# Altium PCB CPCIS_PWR_MOD_AC.pcbdoc (part 1 of 2)
Units mm, origin at the board's own origin, x right, y up, seen from the top; angles counter-clockwise.
Board outline 159 x 100 mm, 4 copper layers (Top Layer, Layer 1, Layer 2, Bottom Layer), stack 1.66 mm thick; 134 components, 89 nets, 446 pads, 0 vias.
Unrouted connection lines stored in the file: 213.
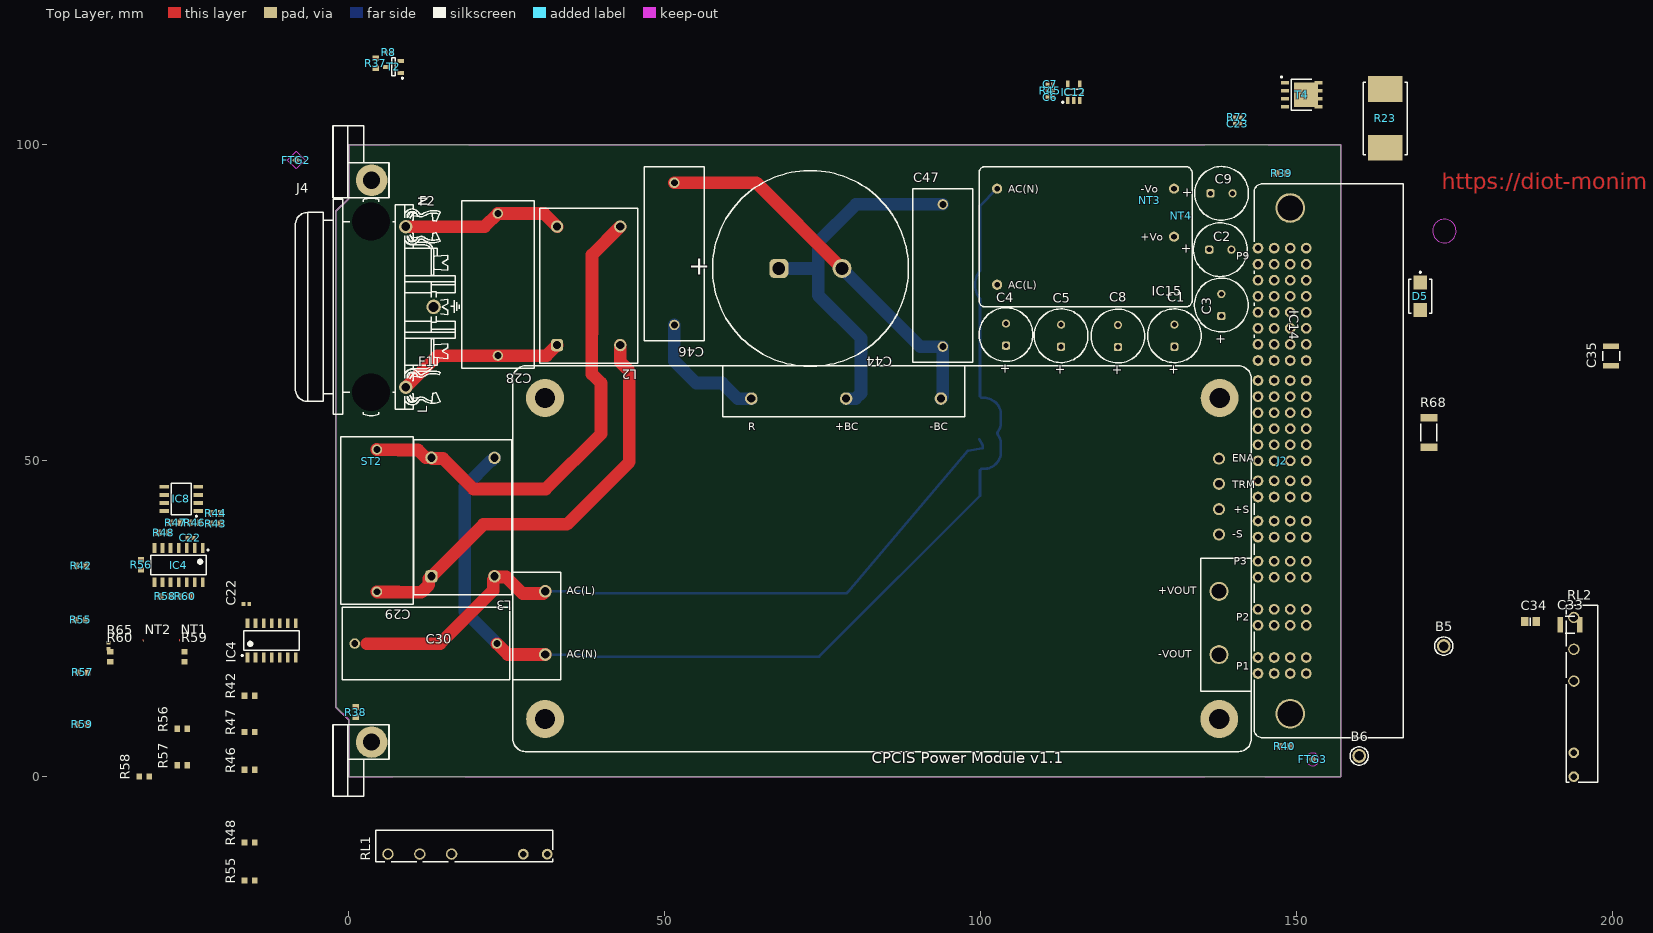
[diagram p0: Top Layer view]
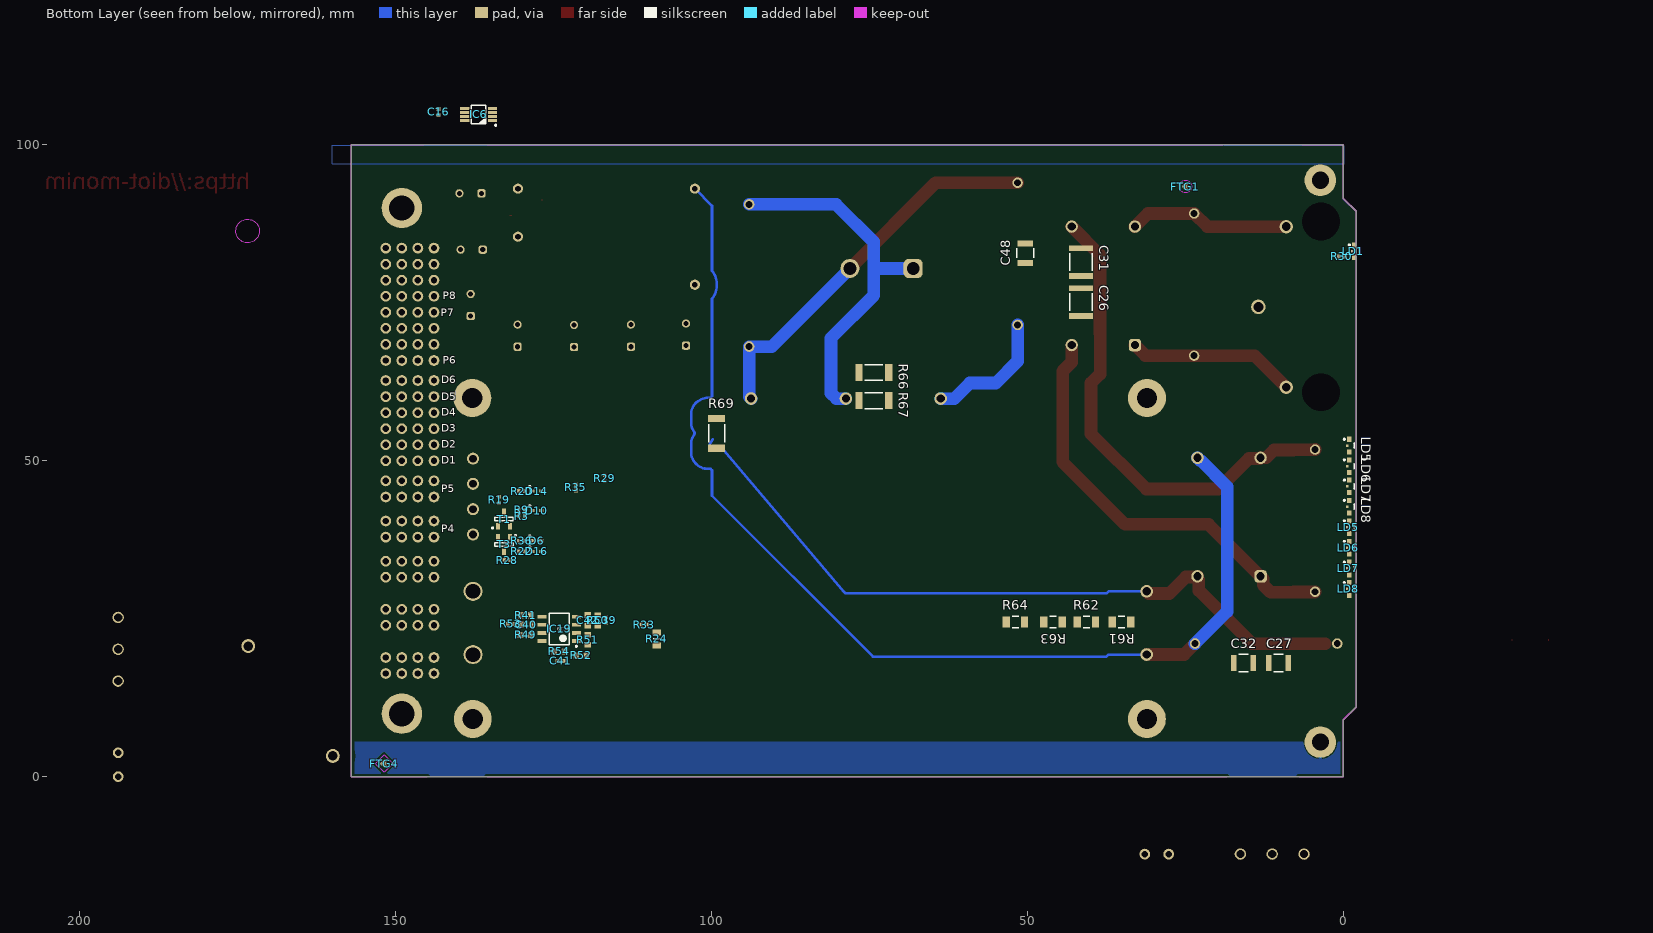
[diagram p1: Bottom Layer view, seen from below]
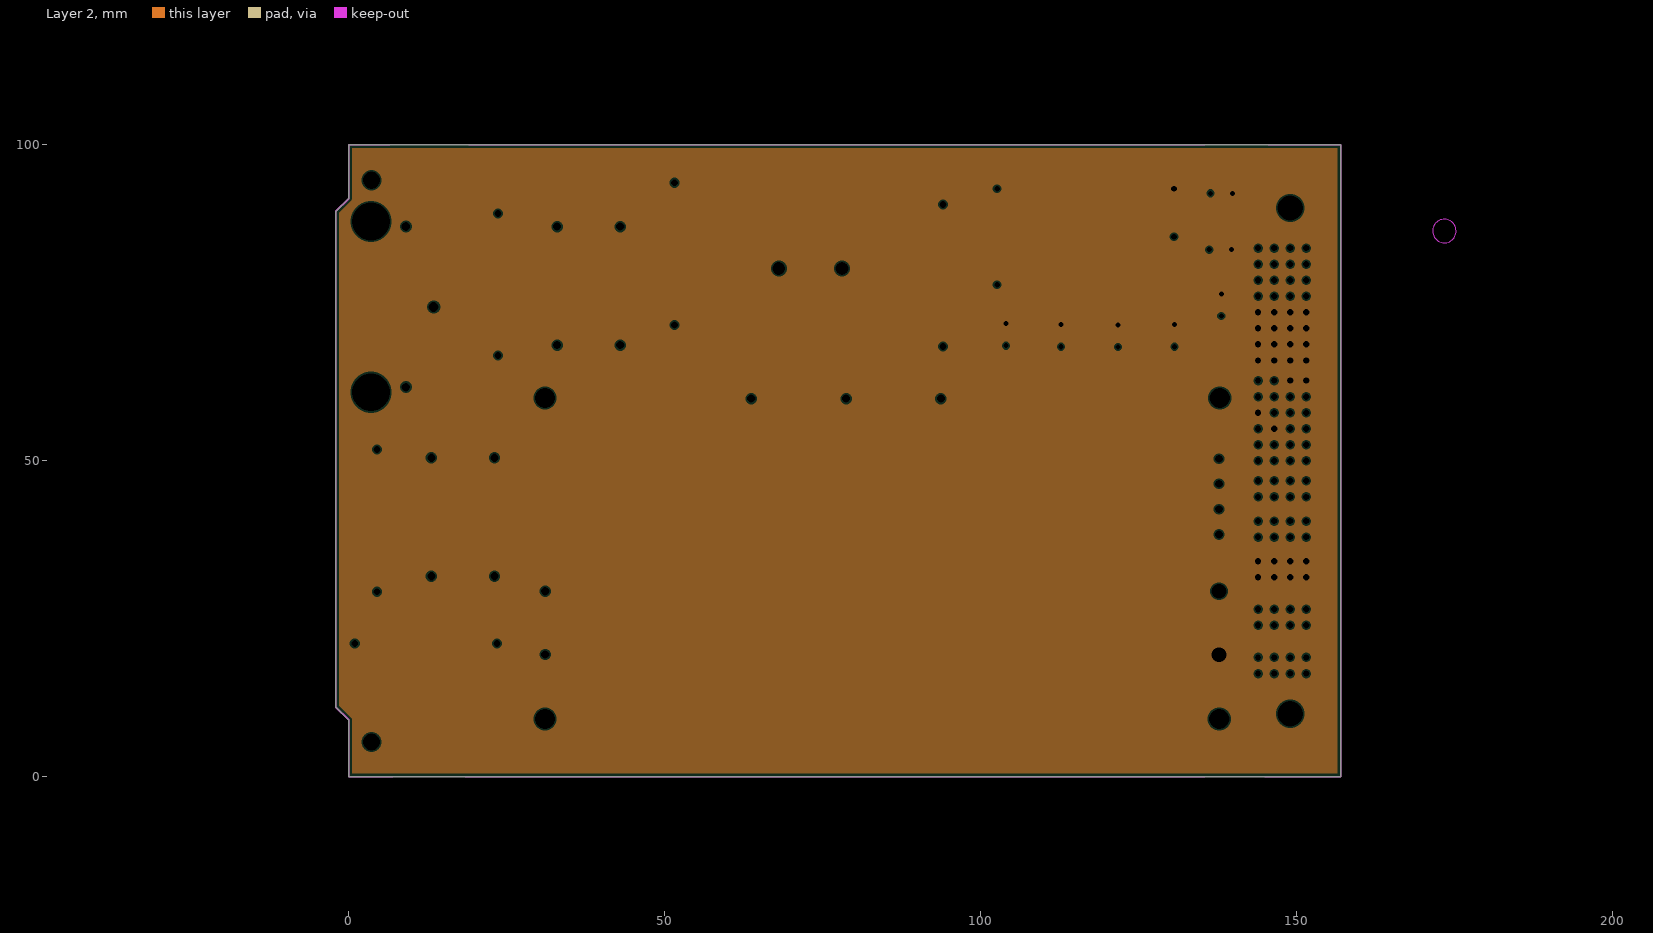
[diagram p2: Layer 2, clearances drawn from the general rule]

## Layer stack, top to bottom
Top Solder: solder mask 0.01, Solder Resist, Dk 3.5
Top Layer: signal copper 0.035
Dielectric 1: prepreg 0.36, FR-4, Dk 4.6
Layer 1: signal copper 0.035
Dielectric 6: core 0.8, FR-4, Dk 4.6
Layer 2: plane copper 0.035, net GND
Dielectric 2: prepreg 0.36, FR-4, Dk 4.6
Bottom Layer: signal copper 0.035
Bottom Solder: solder mask 0.01, Solder Resist, Dk 3.5

## Board outline
0.008,0.007 0.008,9.007 -1.992,11.007 -1.992,89.507 0.008,91.507 0.008,100.007 157.008,100.007 157.008,0.007

## Design rules (kind name [scope] priority, off if disabled: settings)
Clearance Clearance_AC [InNetClass('AC')] p1: gap=2.5 ignorepadtopadclearanceinfootprint=FALSE
Clearance Clearance_NT [InComponent('NT*')] p2: gap=0 ignorepadtopadclearanceinfootprint=TRUE
Clearance Clearance_Poly [InPoly] p3: gap=0.4 ignorepadtopadclearanceinfootprint=FALSE
Clearance [All vs not HasFootprint('Net Tie')] p4: gap=0.127 ignorepadtopadclearanceinfootprint=FALSE except(0: Arc-Hole Track-Hole SMDPad-Hole THPad-Hole Via-Hole Fill-Hole Poly-Hole Region-Hole Text-Hole)
ComponentClearance ComponentClearance_pressfit [HasCompParameterValue('PressFit','Yes') vs InComponent('No Component')] p1: gap=5 collisioncheckmode=3 verticalgap=0.254 showdistances=FALSE
ComponentClearance ComponentClearance_NM [InComponentClass('NotMounted')] p2: gap=0 collisioncheckmode=3 verticalgap=0 showdistances=FALSE
ComponentClearance ComponentClearance_Top [not InComponentClass('Overlapping') and InComponentClass('Top Side Components') vs InComponentClass('Top Side Components')] p3: gap=0 collisioncheckmode=3 verticalgap=2540 showdistances=FALSE
ComponentClearance Overlapping [InComponentClass('Overlapping') vs InComponentClass('Overlapping')] p4: gap=0 collisioncheckmode=3 verticalgap=0 showdistances=FALSE
DiffPairsRouting [All] p1: maxlimit=0.2 minlimit=0.1 mostfreqgap=0.2 toplayer_mingap=0.2 toplayer_minwidth=0.1 toplayer_maxwidth=0.1 toplayer_prefwidth=0.1 midlayer1_maxgap=0.1 midlayer1_prefgap=0.1 midlayer1_minwidth=0.08 midlayer1_maxwidth=0.08 midlayer1_prefwidth=0.08 bottomlayer_mingap=0.2 bottomlayer_minwidth=0.1 bottomlayer_maxwidth=0.1 bottomlayer_prefwidth=0.1 maxuncoupledlength=50
FabricationTestPointUsage TestPointUsage [All] p1: valid=0 allowmultiple=FALSE
FabricationTestpoint Testpoint [All] p1: side=3 testpointundercomponent=TRUE minsize=1.016 maxsize=2.54 preferedsize=1.524 minholesize=0 maxholesize=1.016 preferedholesize=0.813 testpointgrid=0.025 allowsidetop=TRUE allowsidebottom=TRUE usegrid=TRUE gridtolerance=0
Height [All] p1: minheight=0 maxheight=25 prefheight=10
HoleSize [All] p1: absolutevalues=TRUE maxlimit=5 minlimit=0.2 maxpercent=80.000 minpercent=20.000
HoleToHoleClearance [All] p1: gap=0.2 allowstackedmicrovias=TRUE
Length "Length CPCIs2a + XS" [InNetClass('CPCIs2a') or InxSignalClass('CPCIs2 XS')] p1: maxlimit=126 minlimit=121
Length "Length CPCIs5a + XS" [InNetClass('CPCIs5a')    or InxSignalClass('CPCIs5 XS')] p2: maxlimit=155.1 minlimit=151
MatchedLengths DiffPair_gbtclkm2c_MatchedLengths [InDifferentialPair ('FMCGBTCLKM2C_C1') Or InDifferentialPair ('FMCGBTCLKM2C_C0')] p1: tolerance=5 checknetsindiffpair=FALSE checkdiffpairvsdiffpair=TRUE checkxsignals=TRUE checkothers=TRUE
MatchedLengths DiffPair_gbtxClockDes_MatchedLengths [InDifferentialPair ('GBTXCLOCKDES_N0') Or InDifferentialPair ('GBTXCLOCKDES_P0') Or InDifferentialPair ('GBTXCLOCKDES_N1') Or InDifferentialPair ('GBTXCLOCKDES_P1')Or InDifferentialPair ('GBTXCLOCKDES_N2') Or InDifferentialPair ('GBTXCLOCKDES_P2')Or InDifferentialPair ('GBTXCLOCKDES_N3') Or InDifferentialPair ('GBTXCLOCKDES_P3') Or InDifferentialPair ('GBTXCLOCKDES_N4') Or InDifferentialPair ('GBTXCLOCKDES_P4')] p2: tolerance=5 checknetsindiffpair=FALSE checkdiffpairvsdiffpair=TRUE checkxsignals=TRUE checkothers=TRUE
MatchedLengths DiffPair_Scout_ScclkMatchedLengths [InDifferentialPair ('GBTXELINKSSCCLK') Or InDifferentialPair ('GBTXELINKSSCOUT')] p3: tolerance=5 checknetsindiffpair=FALSE checkdiffpairvsdiffpair=TRUE checkxsignals=TRUE checkothers=TRUE
MinimumAnnularRing MinimumAnnularRing_Via [IsVia] p1: minimumring=0.12
MinimumAnnularRing [All] p2: minimumring=0.12
MinimumSolderMaskSliver [IsThruPin vs IsThruPin] p1: minsoldermaskwidth=0
NetAntennae [All] p1 off: netantennaetolerance=0
PermittedLayers [All] p1: toplayerpermitted=TRUE bottomlayerpermitted=FALSE
PlaneClearance PlaneClearance_ac [InNetClass('AC')] p1: clearance=2
PlaneClearance [All] p2: clearance=0.25
PlaneConnect PlaneConnect_ft_pcbm [InPadClass('ft_pcbm')] p1: planeconnectstyle=Relief reliefexpansion=0.25 reliefentries=4 reliefconductorwidth=0.2 reliefairgap=0.2
PlaneConnect PlaneConnect_Vias [IsVia or InPadClass('Direct')] p2: planeconnectstyle=Direct reliefexpansion=0.508 reliefentries=4 reliefconductorwidth=0.254 reliefairgap=0.254
PlaneConnect "PlaneConnect_0 > 0.5" [AsMM(HoleDiameter)<0.5] p3: planeconnectstyle=Relief reliefexpansion=0.3 reliefentries=4 reliefconductorwidth=0.2 reliefairgap=0.2
PlaneConnect "PlaneConnect_0.5 > 1" [(AsMM(HoleDiameter)>=0.5) and (AsMM(HoleDiameter)<1)] p4: planeconnectstyle=Relief reliefexpansion=0.3 reliefentries=4 reliefconductorwidth=0.25 reliefairgap=0.2
PlaneConnect "PlaneConnect_1 > 1.5" [(AsMM(HoleDiameter)>=1) and (AsMM(HoleDiameter)<1.5)] p5: planeconnectstyle=Relief reliefexpansion=0.3 reliefentries=4 reliefconductorwidth=0.3 reliefairgap=0.2
PlaneConnect "PlaneConnect_1.5 > 2" [(AsMM(HoleDiameter)>=1.5) and (AsMM(HoleDiameter)<2)] p6: planeconnectstyle=Relief reliefexpansion=0.3 reliefentries=4 reliefconductorwidth=0.4 reliefairgap=0.2
PlaneConnect [All] p7: planeconnectstyle=Relief reliefexpansion=0.3 reliefentries=4 reliefconductorwidth=0.5 reliefairgap=0.2
PolygonConnect PolygonConnect_Vias [IsVia or InPadClass('Direct') or InNetClass('ESD_STRIP')] p1: connectstyle=Direct reliefconductorwidth=0.254 reliefentries=4 polygonreliefangle="90 Angle" airgapwidth=0.254
PolygonConnect "PolygonConnect_0 > 0.5" [AsMM(HoleDiameter)<0.5] p2: connectstyle=Relief reliefconductorwidth=0.2 reliefentries=4 polygonreliefangle="90 Angle" airgapwidth=0.2
PolygonConnect "PolygonConnect_0.5 > 1" [(AsMM(HoleDiameter)>=0.5) and (AsMM(HoleDiameter)<1)] p3: connectstyle=Relief reliefconductorwidth=0.25 reliefentries=4 polygonreliefangle="90 Angle" airgapwidth=0.2
PolygonConnect "PolygonConnect_1 > 1.5" [(AsMM(HoleDiameter)>=1) and (AsMM(HoleDiameter)<1.5)] p4: connectstyle=Relief reliefconductorwidth=0.3 reliefentries=4 polygonreliefangle="90 Angle" airgapwidth=0.2
PolygonConnect "PolygonConnect_1.5 > 2" [(AsMM(HoleDiameter)>=1.5) and (AsMM(HoleDiameter)<2)] p5: connectstyle=Relief reliefconductorwidth=0.4 reliefentries=4 polygonreliefangle="90 Angle" airgapwidth=0.2
PolygonConnect [All] p6: connectstyle=Relief reliefconductorwidth=0.5 reliefentries=4 polygonreliefangle="90 Angle" airgapwidth=0.2
RoomDefinition U_PWR_stage_AC [InComponentClass('U_PWR_stage_AC')] p1: confinementstyle=ConfineIn formatcopy=TRUE lockcomponents=FALSE outline 158.151,27.256 162.262,27.256 162.262,14.243 158.151,14.243
RoomDefinition U_Mechanics [InComponentClass('U_Mechanics')] p2: confinementstyle=ConfineIn formatcopy=TRUE lockcomponents=FALSE outline 158.151,98.02 145.919,98.02 145.919,100.802 158.151,100.802
RoomDefinition CPCIS_PWR_MOD_AC [InComponentClass('CPCIS_PWR_MOD_AC')] p3: confinementstyle=ConfineIn formatcopy=TRUE lockcomponents=FALSE outline 58.332,10.737 73.343,10.737 73.343,70.732 58.332,70.732
RoutingVias [All] p1: holewidth=0.3 width=0.65 viastyle="Through Hole" minholewidth=0.2 minwidth=0.45 maxholewidth=0.5 maxwidth=1
ShortCircuit ShortCircuit_NT [InComponent('J34') or  InComponent('J31') or InComponent('J30') or InComponent('J29') or InComponent('J33') or InComponent('J26') vs InComponent('NT*')] p1: allowed=TRUE
ShortCircuit [All] p2: allowed=FALSE
SilkToSilkClearance [All] p1: silktosilkclearance=0.05
SilkToSolderMaskClearance [IsPad] p1: minsilkscreentomaskgap=0.08 clearancetoexposedcopper=TRUE
SolderMaskExpansion [All] p1: expansion=0 istentingtop=FALSE
ViasUnderSMD ViasUnderSMD_1 [HasFootprint ('CAPC0603X33N')   or HasFootprint ('RESC1005X40N')  or HasFootprint('CAPC1608X87N')   or HasFootprint('CAPC1005X55N')   or  HasFootprint('Net Tie')] p1: allowed=TRUE
ViasUnderSMD [not InComponentClass('Overlapping')] p2: allowed=FALSE
Width Width_PWR [InNetClass('Power')] p1: maxlimit=1 minlimit=0.254 preferedwidth=0.4 minimp=50.000000 maximp=50.000000 favimp=50.000000
Width [All] p2: maxlimit=2.54 minlimit=0.127 preferedwidth=0.127
16 further rules are at their usual default settings.

## Classes and differential pairs
component class U_LED_bargraph: C22 IC4 IC8 LD5 LD6 LD7 LD8 R42 R43 R44 R46 R47 R48 R55 R56 R57 R58 R59 R60
net class AC: AC_L AC_N MAINS_L MAINS_N NetC26_2 NetC28_1 NetC28_2 NetC29_1
component class U_PWR_stage_AC: C1 C2 C3 C4 C5 C6 C7 C8 C9 C16 C23 C26 C27 C28 C29 C30 C31 C32 C33 C34 C35 C39 C40 C41 C42 C44 C46 C47 C48 D5 F1 F2 IC6 IC12 IC14 IC15 IC19 J4 L2 L3 NT1 NT2 NT3 NT4 R23 R24 R33 R41 R45 R49 R50 R51 R52 R53 R54 R61 R62 R63 R64 R65 R66 R67 R68 R69 R72 RL1 RL2 T4
component class U_Mechanics: R37 R38 ST2
net class Power: 5VSTBY P12V0 P12V0_OUT P12V0B
component class CPCIS_PWR_MOD_AC: B5 B6 D6 D10 D14 D16 FTG1 FTG2 FTG3 FTG4 J2 JP1 LD1 R3 R8 R9 R19 R20 R22 R28 R29 R30 R35 R36 R39 R40 T1 T2 T3

## Components (designator, comment, footprint, x,y, rotation, side; value= is the part's Value field where it differs from the comment)
B5 "Plated Hole" c220h150 173.304,20.685 r0 top
B6 "Plated Hole" c220h150 159.924,3.3 r0 top
C1 "330µF" WCAP-ATLI_D8H16 130.683,69.799 r270 top
C2 "330µF" WCAP-ATLI_D8H16 137.95,83.414 r180 top
C3 "330µF" WCAP-ATLI_D8H16 138.102,74.653 r270 top
C4 "330µF" WCAP-ATLI_D8H16 104.038,69.977 r270 top
C5 "330µF" WCAP-ATLI_D8H16 112.751,69.799 r270 top
C6 "100nF" CAPC1005X55N 111.029,107.553 r0 top
C7 "10nF" CAPC1005X55N 111.029,109.56 r180 top
C8 "330µF" WCAP-ATLI_D8H16 121.742,69.746 r270 top
C9 "330µF" WCAP-ATLI_D8H16 138.148,92.329 r180 top
C16 "100nF" CAPC1005X55N 143.18,105.207 r270 bottom
C22 "100nF" CAPC1005X55N -16.158,27.347 r180 top
C22 "100nF" CAPC1005X55N -25.008,37.795 r180 top
C23 "10nF" CAPC1005X55N 140.678,103.354 r0 top
C26 "4.7nF" WCAP-CSMH_1812_L4.5W3.2H2 41.526,75.129 r270 bottom
C27 "1nF" WCAP-CSMH_1210_L3.2W2.5H1.25 10.271,18.014 r180 bottom
C28 "1uF" WCAP-FTXX_L26W11H20_CS 23.632,77.89 r270 top
C29 "1uF" WCAP-FTXX_L26W11H20_CS 4.496,40.538 r270 top
C30 "1uF" WCAP-FTXX_L26W11H20_CS 12.237,21.086 r180 top
C31 "4.7nF" WCAP-CSMH_1812_L4.5W3.2H2 41.526,81.45 r270 bottom
C32 "1nF" WCAP-CSMH_1210_L3.2W2.5H1.25 15.836,18.014 r180 bottom
C33 "33nF" WCAP-CSMH_1210_L3.2W2.5H1.6 193.272,24.062 r0 top
C34 "2.2uF" CAPC2013X145N 187.022,24.562 r0 top
C35 "33nF" WCAP-CSMH_1210_L3.2W2.5H1.6 199.777,66.598 r90 top
C39 "1nF" CAPC1005X55N 116.701,24.756 r90 bottom
C40 "47uF" CAPC1608X100N 129.283,24.075 r0 bottom
C41 "1nF" CAPC1005X55N 123.891,18.335 r180 bottom
C42 "470nF" CAPC1608X87N 119.572,24.782 r270 bottom
C44 "330µF" WCAP-AIG8_D30H30 73.097,80.439 r180 top
C46 "1µF" WCAP-FTBP_L26W8.5H17 51.556,82.751 r270 top
C47 "1µF" WCAP-FTBP_L26W8.5H17 94.043,79.329 r90 top
C48 "1nF" WCAP-CSMH_1210_L3.2W2.5H1.25 50.344,82.85 r90 bottom
D5 "P6SMB15A" DIOM5436X261N 169.595,76.045 r270 top
D6 "PESD3V3S1UB" SODFL1608X65N 127.658,37.36 r180 bottom
D10 "PESD3V3S1UB" SODFL1608X65N 127.658,42.135 r180 bottom
D14 "PESD3V3S1UB" SODFL1608X65N 127.658,45.209 r180 bottom
D16 "PESD3V3S1UB" SODFL1608X65N 127.658,35.658 r180 bottom
F1 "10A-250VAC" FUSE_5X20_GLASS_v 13.295,61.654 r0 top
F2 "10A-250VAC" FUSE_5X20_GLASS_v 13.468,87.054 r0 top
FTG1 "Use only in PCB" FIDUCIAL_TOP_C100-200 25.023,93.407 r90 bottom
FTG2 "Use only in PCB" FIDUCIAL_TOP_S100-200 -8.265,97.6 r90 top
FTG3 "Use only in PCB" FIDUCIAL_TOP_C100-200 152.563,2.769 r90 top
FTG4 "Use only in PCB" FIDUCIAL_TOP_S100-200 151.814,2.107 r90 bottom
IC4 "LM339AD" SOIC127P600X175-14N -12.158,21.597 r90 top
IC4 "LM339AD" SOIC127P600X175-14N -26.876,33.493 r270 top
IC6 "LTC4357CMS8#PBF" SOP65P490X110-8N 136.855,104.804 r0 bottom
IC8 "TL431CD" SOIC127P600X175-8N -26.473,43.982 r180 top
IC12 "INA194AIDBVT" SOT95P280X145-5N 114.769,108.336 r90 top
IC14 "PFE300SA-12" PWS_TDK-LAMBDA_PFE300/500SA 87,39 r0 top
IC15 "IRM-02-5" PWS_MEANWELL_IRM-02 116.632,85.466 r0 top
IC19 "UCC39002DR" D0008A_N 124.102,23.415 r0 bottom
J2 "PwrBlade" AMPHENOL_51939-667 151.54,83.665 r0 top locked
J4 "IEC" SCHURTER_GSF1.2202.31 3.568,74.354 r90 top
L2 "6mH" WE-FCLP_FT16H 38.003,77.69 r270 top
L3 "6mH" WE-FCLP_FT16H 18.11,41.097 r270 top
LD1 "Green" LED_AVAGO_HSME-C120 -1.723,83.154 r270 bottom
LD5 "Green" LED_AVAGO_HSME-C120 -0.932,52.42 r270 bottom
LD5 "Green" LED_AVAGO_HSME-C120 -0.932,39.502 r270 bottom
LD6 "Green" LED_AVAGO_HSME-C120 -0.932,49.154 r270 bottom
LD6 "Green" LED_AVAGO_HSME-C120 -0.932,36.254 r270 bottom
LD7 "Green" LED_AVAGO_HSME-C120 -0.932,45.957 r270 bottom
LD7 "Green" LED_AVAGO_HSME-C120 -0.932,32.967 r270 bottom
LD8 "Green" LED_AVAGO_HSME-C120 -0.932,42.752 r270 bottom
LD8 "Green" LED_AVAGO_HSME-C120 -0.932,29.724 r270 bottom
NT1 "Net Tie" "Net Tie" -26.703,21.509 r90 top net-tie
NT2 "Net Tie" "Net Tie" -32.453,21.509 r90 top net-tie
NT3 "Net Tie" "Net Tie" 126.924,91.237 r180 top net-tie
NT4 "Net Tie" "Net Tie" 131.646,88.748 r0 top net-tie
R3 "10k" RESC1005X40N 130.018,41.248 r180 bottom
R8 "10k" RESC1005X40N 6.4,114.633 r0 top
R9 "49R9" RESC1005X40N 130.018,42.239 r180 bottom
R19 "1k" RESC1005X40N 133.622,43.833 r90 bottom
R20 "49R9" RESC1005X40N 130.018,45.209 r180 bottom
R22 "49R9" RESC1005X40N 130.015,35.66 r180 bottom
R23 "0R001" RESM11670X254N 164.052,104.182 r90 top
R24 "0R05" RESC2012X60N 108.672,21.81 r90 bottom
R28 "10k" RESC1005X40N 132.352,34.288 r180 bottom
R29 "1k" RESC1005X40N 116.892,47.225 r90 bottom
R30 "1k" RESC1005X40N 0.257,82.354 r0 bottom
R33 "20k" RESC1005X40N 110.653,24.096 r0 bottom
R35 "10k" RESC1005X40N 121.447,45.79 r270 bottom
R36 "49R9" RESC1005X40N 130.015,37.362 r180 bottom
R37 "0" RESC1608X55N 4.288,112.906 r90 top
R38 "0" RESC1608X55N 1.168,10.236 r270 top
R39 "0" RESC1608X55N 147.647,95.504 r180 top
R40 "0" RESC1608X55N 148.155,4.851 r180 top
R41 "91" RESC1608X55N 129.375,25.569 r180 bottom
R42 "1k" RESC1608X55N -15.658,12.847 r180 top
R42 "1k" RESC1608X55N -42.283,33.377 r180 top
R43 "1k" RESC1608X55N -21.047,40.084 r0 top
R44 "1k" RESC1608X55N -21.015,41.706 r0 top
R45 "10k" RESC1005X40N 111.029,108.569 r0 top
R46 "10k" RESC1608X55N -15.658,1.097 r180 top
R46 "10k" RESC1608X55N -24.323,40.18 r180 top
R47 "10k" RESC1608X55N -15.658,7.097 r180 top
R47 "10k" RESC1608X55N -27.374,40.212 r180 top
R48 "10k" RESC1608X55N -15.658,-10.403 r180 top
R48 "10k" RESC1608X55N -29.263,38.611 r180 top
R49 "0" RESC1608X55N 129.41,22.45 r180 bottom
R50 "16k" RESC1608X55N 117.997,24.756 r90 bottom
R51 "270" RESC1608X55N 119.572,21.683 r90 bottom
R52 "270" RESC1608X55N 120.625,19.211 r0 bottom
R53 "470" RESC1005X40N 131.775,24.215 r0 bottom
R54 "16k" RESC1608X55N 124.102,19.834 r180 bottom
R55 "1k" RESC1608X55N -15.658,-16.403 r180 top
R55 "1k" RESC1608X55N -42.388,24.826 r180 top
R56 "10k" RESC1608X55N -26.303,7.585 r180 top
R56 "10k" RESC1608X55N -32.829,33.568 r270 top
R57 "1k" RESC1608X55N -26.303,1.835 r180 top
R57 "1k" RESC1608X55N -42.047,16.512 r180 top
R58 "10k" RESC1608X55N -32.33,0.063 r180 top
R58 "10k" RESC1608X55N -28.964,28.584 r0 top
R59 "1k" RESC1608X55N -25.953,19.009 r90 top
R59 "1k" RESC1608X55N -42.117,8.335 r180 top
R60 "10k" RESC1608X55N -37.703,19.009 r90 top
R60 "10k" RESC1608X55N -25.803,28.559 r0 top
R61 "100k" RESC3216X65N 35.124,24.492 r0 bottom
R62 "100k" RESC3216X65N 40.687,24.492 r180 bottom
R63 "100k" RESC3216X65N 45.961,24.492 r0 bottom
R64 "100k" RESC3216X65N 51.913,24.492 r180 bottom
R65 "100k" RESC1005X40N -37.953,20.759 r90 top
R66 "47R" RESC5025X65N 74.326,63.981 r180 bottom
R67 "47R" RESC5025X65N 74.326,59.514 r180 bottom
R68 "51R" RESC5025X65N 170.954,54.484 r90 top
R69 "47R" RESC5025X65N 99.187,54.356 r90 bottom
R72 "20k" RESC1005X40N 140.678,104.344 r0 top
RL1 "REL_TYCO-SCHRACK_SNR Form A" REL_TYCO-SCHRACK_SNR 18.335,-12.229 r180 top value=5VDC
RL2 "REL_TYCO-SCHRACK_SNR Form C" REL_TYCO-SCHRACK_SNR 193.892,13.125 r90 top value=5VDC
ST2 "SCHROFF_PANEL_3U_8HP" SCHROFF_PANEL_3HP_8U_CPCIS_AC_PSU 3.652,5.501 r0 top locked
T1 "BSS138LT1G" SOT95P240X110-3N 132.835,40.794 r90 bottom
T2 "BSS138LT1G" SOT95P240X110-3N 7.133,112.347 r180 top
T3 "BSS138LT1G" SOT95P240X110-3N 132.835,36.778 r270 bottom
T4 "SIRA80DP-T1-RE3" VISHAY_POWERPAK-SO-8-SINGLE 150.82,107.931 r0 top

## Footprints (in the part's own frame and the unit in brackets; to place one, negate y for a bottom-side part, rotate by r counter-clockwise, add the part's x,y. Pads: shape width x height; smd on the part's side, far side on the other; paste and mask are expansions set on the pad)
AMPHENOL_51939-667 [mm] "Right Angle PowerBlade Power Connector 3ACP + 2P + 24S + 4P Contacts"
  round 1.7 hole 1: A1(0,-33.66) A2(0,-31.12) A3(0,-28.58) A4(0,-26.04) A5(0,-23.5) A6(0,-20.96) B1(-2.54,-33.66) B2(-2.54,-31.12) B3(-2.54,-28.58) B4(-2.54,-26.04) B5(-2.54,-23.5) B6(-2.54,-20.96) C1(-5.08,-33.66) C2(-5.08,-31.12) C3(-5.08,-28.58) C4(-5.08,-26.04) C5(-5.08,-23.5) C6(-5.08,-20.96) D1(-7.62,-33.66) D2(-7.62,-31.12) D3(-7.62,-28.58) D4(-7.62,-26.04) D5(-7.62,-23.5) D6(-7.62,-20.96) P1(-7.62,-67.32) P1(-7.62,-64.78) P1(-5.08,-67.32) P1(-5.08,-64.78) P1(-2.54,-67.32) P1(-2.54,-64.78) P1(0,-67.32) P1(0,-64.78) P2(-7.62,-59.7) P2(-7.62,-57.16) P2(-5.08,-59.7) P2(-5.08,-57.16) P2(-2.54,-59.7) P2(-2.54,-57.16) P2(0,-59.7) P2(0,-57.16) P3(-7.62,-52.08) P3(-7.62,-49.54) P3(-5.08,-52.08) P3(-5.08,-49.54) P3(-2.54,-52.08) P3(-2.54,-49.54) P3(0,-52.08) P3(0,-49.54) P4(-7.62,-45.73) P4(-7.62,-43.19) P4(-5.08,-45.73) P4(-5.08,-43.19) P4(-2.54,-45.73) P4(-2.54,-43.19) P4(0,-45.73) P4(0,-43.19) P5(-7.62,-39.38) P5(-7.62,-36.84) P5(-5.08,-39.38) P5(-5.08,-36.84) P5(-2.54,-39.38) P5(-2.54,-36.84) P5(0,-39.38) P5(0,-36.84) P6(-7.62,-17.78) P6(-7.62,-15.24) P6(-5.08,-17.78) P6(-5.08,-15.24) P6(-2.54,-17.78) P6(-2.54,-15.24) P6(0,-17.78) P6(0,-15.24) P7(-7.62,-12.7) P7(-7.62,-10.16) P7(-5.08,-12.7) P7(-5.08,-10.16) P7(-2.54,-12.7) P7(-2.54,-10.16) P7(0,-12.7) P7(0,-10.16) P8(-7.62,-7.62) P8(-7.62,-5.08) P8(-5.08,-7.62) P8(-5.08,-5.08) P8(-2.54,-7.62) P8(-2.54,-5.08) P8(0,-7.62) P8(0,-5.08) P9(-7.62,-2.54) P9(-7.62,0) P9(-5.08,-2.54) P9(-5.08,0) P9(-2.54,-2.54) P9(-2.54,0) P9(0,-2.54) P9(0,0)
  round 4.7 / inner round 4.7 / far side round 6.4 hole 4: MTG1(-2.54,6.345)
  round 4.7 / inner round 4.3 / far side round 6.4 hole 4: MTG2(-2.54,-73.665)
  silkscreen extent -8.25,-77.47 15.37,10.16, body extent -8.25,-77.47 15.37,10.16, height 12.57
c220h150 [mm] "Plated Through Hole: Hole Dia.=1.5mm Pad Dia.=2.2mm, IPC-7251 Level A"
  round 2.2 hole 1.5: 1(0,0)
  silkscreen extent -1.45,-1.45 1.45,1.45
CAPC1005X55N [mm] "Capacitor, Non-Polarized, Chip; 1.00mm L X 0.50mm W X 0.70mm H, IPC Medium Density"
  rect 0.62x0.62 smd: 1(-0.45,0) 2(0.45,0)
  body extent -0.52,-0.27 0.53,0.28, height 0.55
CAPC1608X87N [mm] "Chip Capacitor, Body 1.6x0.8mm IPC Medium Density"
  rect 0.95x1 smd: 1(-0.8,0) 2(0.8,0)
  body extent -0.87,-0.47 0.88,0.48, height 0.87
CAPC1608X100N [mm] "Capacitor, non-Polarized, Chip; 1.60mm L X 0.80mm W X 1.00mm H, IPC Medium Density"
  rect 0.8x0.95 smd: 1(-0.8,0) 2(0.8,0)
  silkscreen extent 0,-0.3 0,0.3, body extent -0.85,-0.45 0.85,0.45, height 1
CAPC2013X145N [mm] "Capacitor, Non-Polarized, Chip; 2.00mm L X 1.25mm W X 1.45mm H, IPC Medium Density"
  rect 1.15x1.45 smd: 1(-0.9,0) 2(0.9,0)
  silkscreen extent 0,-0.63 0,0.63, body extent -1.1,-0.72 1.1,0.73, height 1.45
D0008A_N [mm] "SOIC, 8-Leads, Body 5x4mm, Pitch 1.27mm, IPC Medium Density"
  rrect17% 1.45x0.6 smd: 1(-2.725,1.905) 2(-2.725,0.635) 3(-2.725,-0.635) 4(-2.725,-1.905) 5(2.725,-1.905) 6(2.725,-0.635) 7(2.725,0.635) 8(2.725,1.905)
  silkscreen extent -2.85,-2.5 1.6,2.88, body extent -3,-2.45 3,2.45, height 1.63
DIOM5436X261N [mm]
  rect 2.2x2.15 smd: 1(-2.2,0) 2(2.2,0)
  silkscreen extent -3.92,-1.8 2.7,1.8, body extent -2.7,-1.95 2.7,1.95, height 2.59
FIDUCIAL_TOP_C100-200 [mm] "Round Fiducial Target, Top Layer, 1.0mm, Top Solder 2.0mm, Keepout =2.0mm"
  round 1 smd paste-0.51 mask+0.5: FTG2(0,0)
  Top Layer keep-out circle w0.1: c0,0 r1
FIDUCIAL_TOP_S100-200 [mm] "Square Fiducial Target, Top Layer, 1.0mm, Top Solder 2.0mm, Keepout =2.0mm"
  rect 1x1 smd rot 45 paste-0.51 mask+0.5: 1(0,0)
  Top Layer keep-out region: 1.414,0 0,-1.414 -1.414,0 0,1.414
FUSE_5X20_GLASS_v [mm] "Generic 5x20mm Cylindrical Glass Fuse (Vertical Mount)"
  body extent -2.5,-2.5 2.5,2.5, height 20
LED_AVAGO_HSME-C120 [mm] "Green Chip LED, 2-Leads, Body 1.7x1.1mm, Side Emitting Package"
  rect 0.8x0.7 smd: 1(-1,0) 2(1,0)
  rect 0.4x0.4 smd: 3(0,-0.35)
  silkscreen extent -1.12,-0.92 0.42,0.8, body extent -0.85,-0.3 0.85,0.8, height 0.7
"Net Tie" [mil] "SMD Net Tie"
  rect 5x5 smd paste-2.5 mask-2.5: 1(0,0) 2(10,0)
  Top Layer lines w5: 0,0 10,0
PWS_MEANWELL_IRM-02 [mm] "IRM-02 Series, Body 33.7x22.2mm, Power Supply"
  round 1.6 hole 0.9: 1(-14,7.6) 2(-14,-7.6) 3(14,7.6) 4(14,0)
  silkscreen extent -16.85,-11.1 16.85,11.1, body extent -16.85,-11.1 16.85,11.1, height 15
PWS_TDK-LAMBDA_PFE300/500SA [mm] "PFE300/500SA Outline, Body 116.8x61mm, AC-DC Power Module"
  round 2 hole 1.3: 1(-55.86,-9.65) 2(-55.86,-19.65) 15(6.74,20.85) 16(-8.26,20.85) 17(-23.26,20.85)
  round 3 hole 2.3: 3(50.74,-19.65) 4(50.74,-9.652)
  round 1.9 hole 1.2: 5(50.74,-0.65) 6(50.74,3.35) 8(50.74,7.366) 12(50.74,11.35)
  round 6 hole 3.2: 18(-55.91,20.95) 18(-55.9,-29.85) 18(50.78,-29.85) 18(50.851,20.95)
  silkscreen extent -61,-35 55.84,26.12, body extent -60.96,-34.95 55.84,26.05, height 12.7
REL_TYCO-SCHRACK_SNR [mm] "5 Leads, Body 28.0 x 5mm, Slim PCB Relay SNR Series"
  round 1.8 hole 1.3: 11(7.06,0) 12(2.02,0) 14(12.1,0)
  round 1.7 hole 1: A1(-13.1,0) A2(-9.32,0)
  silkscreen extent -14,-3.8 14,1.2, body extent -14,-3.8 14,1.2, height 15
RESC1005X40N [mm] "Chip Resistor, EIA 0402, Metric 1005, Body 1.0x0.5mm, IPC Medium Density"
  rect 0.58x0.62 smd: 1(-0.47,0) 2(0.47,0)
  body extent -0.52,-0.27 0.53,0.28, height 0.4
RESC1608X55N [mm] "Chip Resistor, EIA 0603, Metric 1608, Body 1.6x0.8mm, IPC Medium Density"
  rect 0.9x1 smd: 1(-0.8,0) 2(0.8,0)
  body extent -0.87,-0.47 0.88,0.48, height 0.55
RESC2012X60N [mm] "Chip Resistor, EIA 0805, Metric 2012, Body 2.0x1.2mm, IPC Medium Density"
  rect 0.95x1.4 smd: 1(-1,0) 2(1,0)
  silkscreen extent 0,-0.55 0,0.55, body extent -1.1,-0.67 1.1,0.68, height 0.6
RESC3216X65N [mm] "Chip Resistor, EIA 1206, Metric 3216, Body 3.2x1.6mm, IPC Medium Density"
  rect 1.15x1.8 smd: 1(-1.45,0) 2(1.45,0)
  silkscreen extent -0.5,-0.9 0.5,0.9, body extent -1.67,-0.87 1.68,0.88, height 0.65
RESC5025X65N [mm] "Resistor, Chip; 5mm L X 2.5mm W X 0.65mm H, IPC Medium Density"
  rect 1.15x2.7 smd: 1(-2.35,0) 2(2.35,0)
  silkscreen extent -1.4,-1.25 1.4,1.25, body extent -2.55,-1.32 2.55,1.33, height 0.65
RESM11670X254N [mm] "Resistor, Molded Body; 11.56mm L X 6.98mm W X 2.537mm H, IPC Medium Density"
  rect 4.05x5.5 smd: 1(-4.65,0) 2(4.65,0)
  silkscreen extent -5.75,-3.5 5.75,3.5, body extent -6.19,-3.55 6.19,3.55, height 2.54
SCHROFF_PANEL_3HP_8U_CPCIS_AC_PSU [mm] "Schroff PCB 8HP 3U Eurocard Panel Kit"
  round 5 hole 2.7: 0(0,0) 1(0,88.9)
  silkscreen extent -6.1,-8.6 2.75,97.5, body extent -43.8,-21.9 16.65,108.65, height 33.87
SCHURTER_GSF1.2202.31 [mm] "IEC Appliance Inlet C14 with 2 Pole Fuseholder"
  round 2.1 hole 1.4: 1(-12.7,-5.5) 3(12.7,-5.5)
  round 2.3 hole 1.6: 2(0,-9.9)
  round 1 hole 6 unplated mask+2.5: 4(-13.5,0) 5(13.5,0)
  silkscreen extent -17.2,-13.93 17.2,12, body extent -17.18,-13.3 17.18,12, height 24.45
SODFL1608X65N [mm] "Ultra Small Outline Diode Flat Lead (SOD-523), Body; 1.2mm L X 0.8mm W X 0.65mm H, IPC Medium Density"
  rect 0.75x0.5 smd: 1(-0.7,0) 2(0.7,0)
  silkscreen extent -1.23,0.63 -0.98,0.87, body extent -0.82,-0.42 0.83,0.43, height 0.65
SOIC127P600X175-8N [mm] "SOIC 8, Pitch 1.27mm - Body 4x5mm, IPC Medium Density"
  rect 1.55x0.6 smd: 1(-2.7,1.905) 2(-2.7,0.635) 3(-2.7,-0.635) 4(-2.7,-1.905) 5(2.7,-1.905) 6(2.7,-0.635) 7(2.7,0.635) 8(2.7,1.905)
  silkscreen extent -2.53,-2.5 1.55,2.88, body extent -3.1,-2.5 3.1,2.5, height 1.75
SOIC127P600X175-14N [mm] "SOIC 14, Pitch 1.27mm - Body 4x8.75mm, IPC Medium Density"
  rect 1.55x0.6 smd: 1(-2.7,3.81) 2(-2.7,2.54) 3(-2.7,1.27) 4(-2.7,0) 5(-2.7,-1.27) 6(-2.7,-2.54) 7(-2.7,-3.81) 8(2.7,-3.81) 9(2.7,-2.54) 10(2.7,-1.27) 11(2.7,0) 12(2.7,1.27) 13(2.7,2.54) 14(2.7,3.81)
  silkscreen extent -2.52,-4.4 1.55,4.78, body extent -3.1,-4.37 3.1,4.38, height 1.75
SOP65P490X110-8N [mm] "SOP, 0.65mm pitch; 8 pin, 3.00mm W X 3.00mm L X 1.10mm H body, IPC Medium Density"
  rect 1.5x0.45 smd: 1(-2.2,0.975) 2(-2.2,0.325) 3(-2.2,-0.325) 4(-2.2,-0.975) 5(2.2,-0.975) 6(2.2,-0.325) 7(2.2,0.325) 8(2.2,0.975)
  silkscreen extent -2.82,-1.5 1.12,1.82, body extent -2.45,-1.55 2.45,1.55, height 1.1
SOT95P240X110-3N [mm] "SOT23 3-Leads, Pitch 0.95mm, Body 1.3x2.9mm, IPC Medium Density"
  rect 1.05x0.65 smd: 1(-1.15,0.95) 2(-1.15,-0.95) 3(1.15,0)
  silkscreen extent -1.52,-1.45 0.3,1.92, body extent -1.25,-1.5 1.25,1.5, height 1.1
SOT95P280X145-5N [mm] "SOT, 0.95mm pitch; 5 pin, 1.60mm W X 2.90mm L X 1.45mm H body, IPC Medium Density"
  rect 1.1x0.6 smd: 1(-1.3,0.95) 2(-1.3,0) 3(-1.3,-0.95) 4(1.3,-0.95) 5(1.3,0.95)
  silkscreen extent -1.72,-1.45 0.43,1.87, body extent -1.4,-1.5 1.4,1.5, height 1.45
VISHAY_POWERPAK-SO-8-SINGLE [mm] "SOIC, 1.27mm Pitch, 8 Pin, Body 5.89mm W X 4.9mm L X 1.12mm H, PowerPAK® SO-8, (SINGLE)"
  rect 1.27x0.61 smd: 1(-2.67,1.905) 2(-2.67,0.635) 3(-2.67,-0.635) 4(-2.67,-1.905) D(2.67,-1.905) D(2.67,-0.635) D(2.67,0.635) D(2.67,1.905)
  rect 3.81x3.91 smd: D(0.69,0)
  silkscreen extent -3.3,-2.45 1.64,2.9, body extent -3.12,-2.54 3.13,2.54, height 1.12
WCAP-AIG8_D30H30 [mm] "Aluminium Electrolytic Snap-In Capacitors, 30x30mm"
  rrect50% 3x3 hole 2: 1(5,0)
  round 3 hole 2: 2(-5,0)
  silkscreen extent -15.5,-15.5 15.5,15.5, body extent -14.96,-15 15,15, height 30.09
WCAP-ATLI_D8H16 [mm] "Aluminum Electrolytic Capacitors, 8x16mm"
  rrect50% 1.3x1.3 hole 0.8: 1(1.75,0)
  round 1.3 hole 0.8: 2(-1.75,0)
  silkscreen extent -4.25,-4.25 4.25,4.25, body extent -3.99,-4 4,4, height 16.31
WCAP-CSMH_1210_L3.2W2.5H1.6 [mm] "Ceramic Capacitors, body 3.2x2.5mm"
  rect 0.9x2.5 smd: 1(-1.55,0) 2(1.55,0)
  silkscreen extent -0.75,-1.35 0.75,1.35, body extent -1.6,-1.25 1.6,1.25, height 1.6
WCAP-CSMH_1210_L3.2W2.5H1.25 [mm] "Ceramic Capacitors, body 3.2x2.5mm"
  rect 0.9x2.5 smd: 1(-1.55,0) 2(1.55,0)
  silkscreen extent -0.75,-1.35 0.75,1.35, body extent -1.6,-1.25 1.6,1.25, height 1.25
WCAP-CSMH_1812_L4.5W3.2H2 [mm] "Ceramic Capacitors, body 4.5x3.2mm"
  rect 0.9x3.8 smd: 1(-2.2,0) 2(2.2,0)
  silkscreen extent -1.4,-1.75 1.4,1.75, body extent -2.25,-1.6 2.25,1.6, height 2
WCAP-FTBP_L26W8.5H17 [mm] "Film Capacitors, 26x8.5x17mm"
  round 1.65 hole 1.1: 1(-11.25,0) 2(11.25,0)
  silkscreen extent -13.75,-4.75 13.75,4.75, body extent -13,-4.25 13,4.25, height 17.05
WCAP-FTXX_L26W11H20_CS [mm] "Film Capacitors, 26x11x20mm"
  round 1.65 hole 1.1: 1(-11.25,0) 2(11.25,0)
  silkscreen extent -13.25,-5.75 13.25,5.75, body extent -13,-5.5 13,5.5, height 20.05
WE-FCLP_FT16H [mm] "Common Mode Choke, THT, body 24.5x15.5mm"
  rrect50% 1.95x1.95 hole 1.3: 1(9.375,-5)
  round 1.95 hole 1.3: 2(-9.375,-5) 3(-9.375,5) 4(9.375,5)
  silkscreen extent -12.25,-7.75 12.25,7.75, body extent -12.2,-7.15 12.2,7.15, height 13.65

## Part data
B5 B6: library part PLATED_HOLE1.5_PAD2.2, "Single Terminal Socket", Author="CERN DEM JLC", Component Type="Standard (No BOM)", ComponentHeight=0mm, CreateDate=11.05.2017, Family="Plated Hole", HelpURL=Undefined, LatestRevisionDate=11.05.2017, Mounted=No, PackageDescription="Plated Through Hole: Hole Dia.=1.5mm Pad Dia.=2.2mm, IPC-7251 Level A", Part Description="Plated Through Hole: Hole Dia.=1.5mm Pad Dia.=2.2mm, IPC-7251 Level A", Part Number=PLATED_HOLE1.5_PAD2.2, Pin Count=1, Sense=No, SMD=No, Socket=No, Status=None
C1 C2 C3 C4 C5 C8 C9: library part 860080474012, "WCAP-ATLI Aluminum Electrolytic Capacitor, Radial, THT, D8 x H16mm, 330µF, 25V", Capacitance Tolerance=+/-20%, Leakage Current=82.5µA, Manufacturer="Wurth Elektronik", Operating Temperature Max=105°C, Operating Temperature Min=-55°C, Rated Voltage (DC)=25V, Ripple Current=990mA, Capacitance=330µF, Category="Aluminum Electrolytic Capacitors", ComponentLink1Description="Website Link", ComponentLink1URL=https://www.we-online.com/redexpert/article/860080474012?ad, ComponentLink2Description="Datasheet Link", ComponentLink2URL=https://www.we-online.com/redexpert/spec/860080474012?ad, Diameter=8mm, Dissipation Factor=10%, Endurance=3000h, Height=16mm, Manufacturer Part Number=860080474012, Match Code=WCAP-ATLI, Mount="Through Hole", Packaging="Ammo Pack", Technical Reference=ATEE160331M025DSPA7C000